# Altium PCB POWER.PcbDoc (part 1 of 2)
Units mm, origin at the board's own origin, x right, y up, seen from the top; angles counter-clockwise.
Board outline 100 x 45.99 mm, 4 copper layers (Top Layer, GND, Power, Bottom Layer), stack 1.548 mm thick; 81 components, 50 nets, 297 pads, 478 vias.
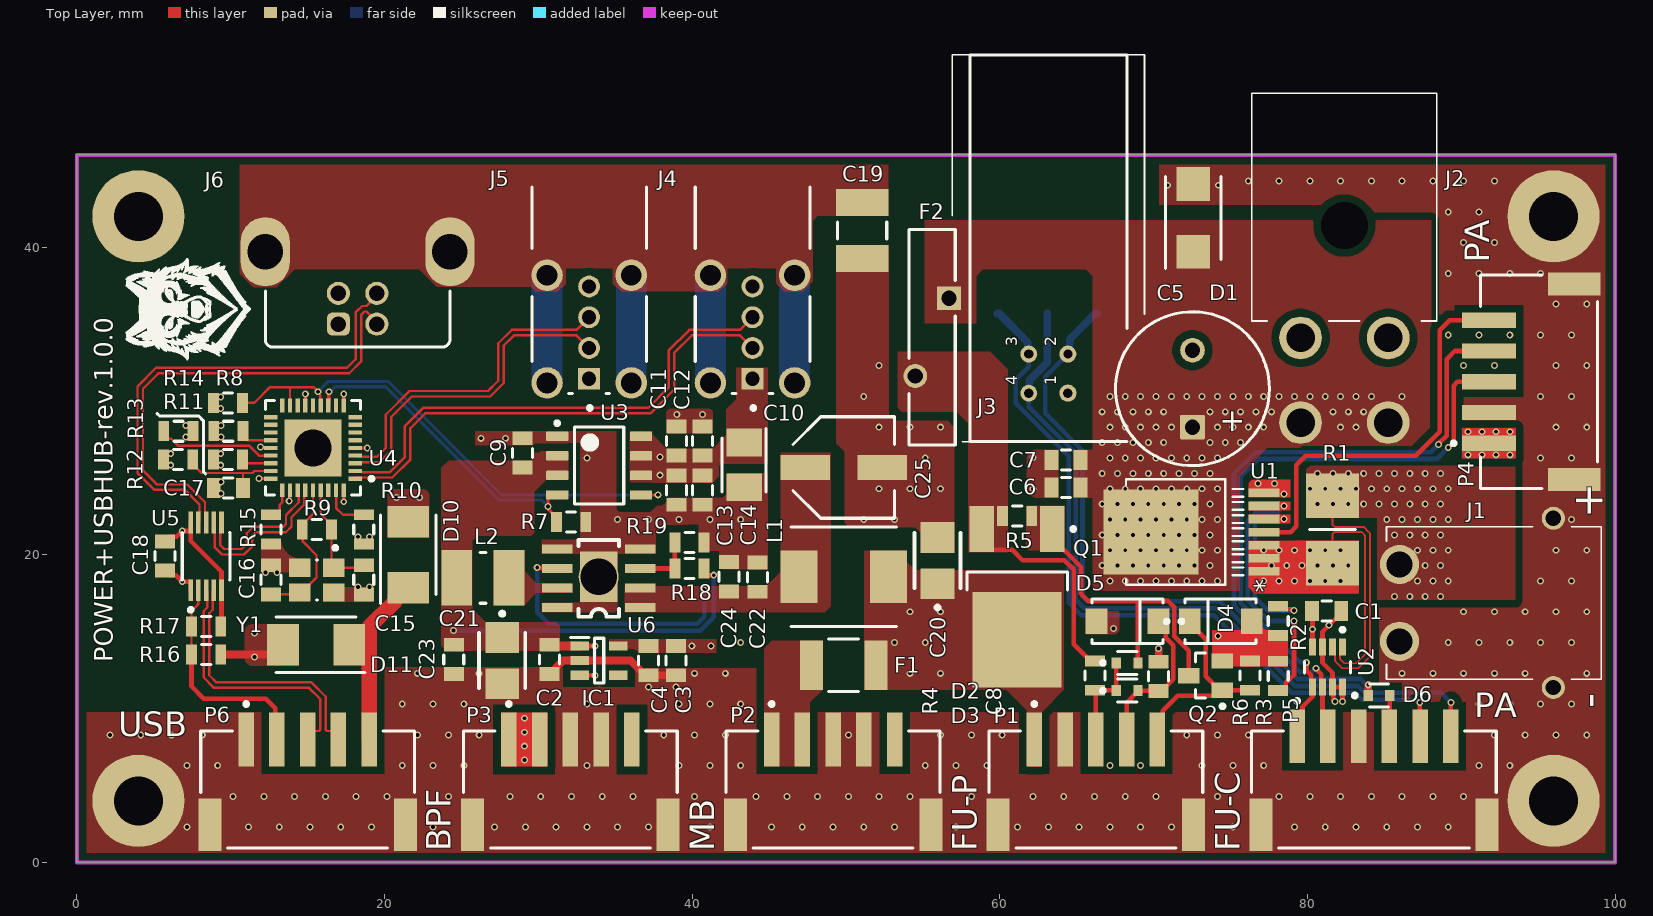
[diagram p0: Top Layer view]
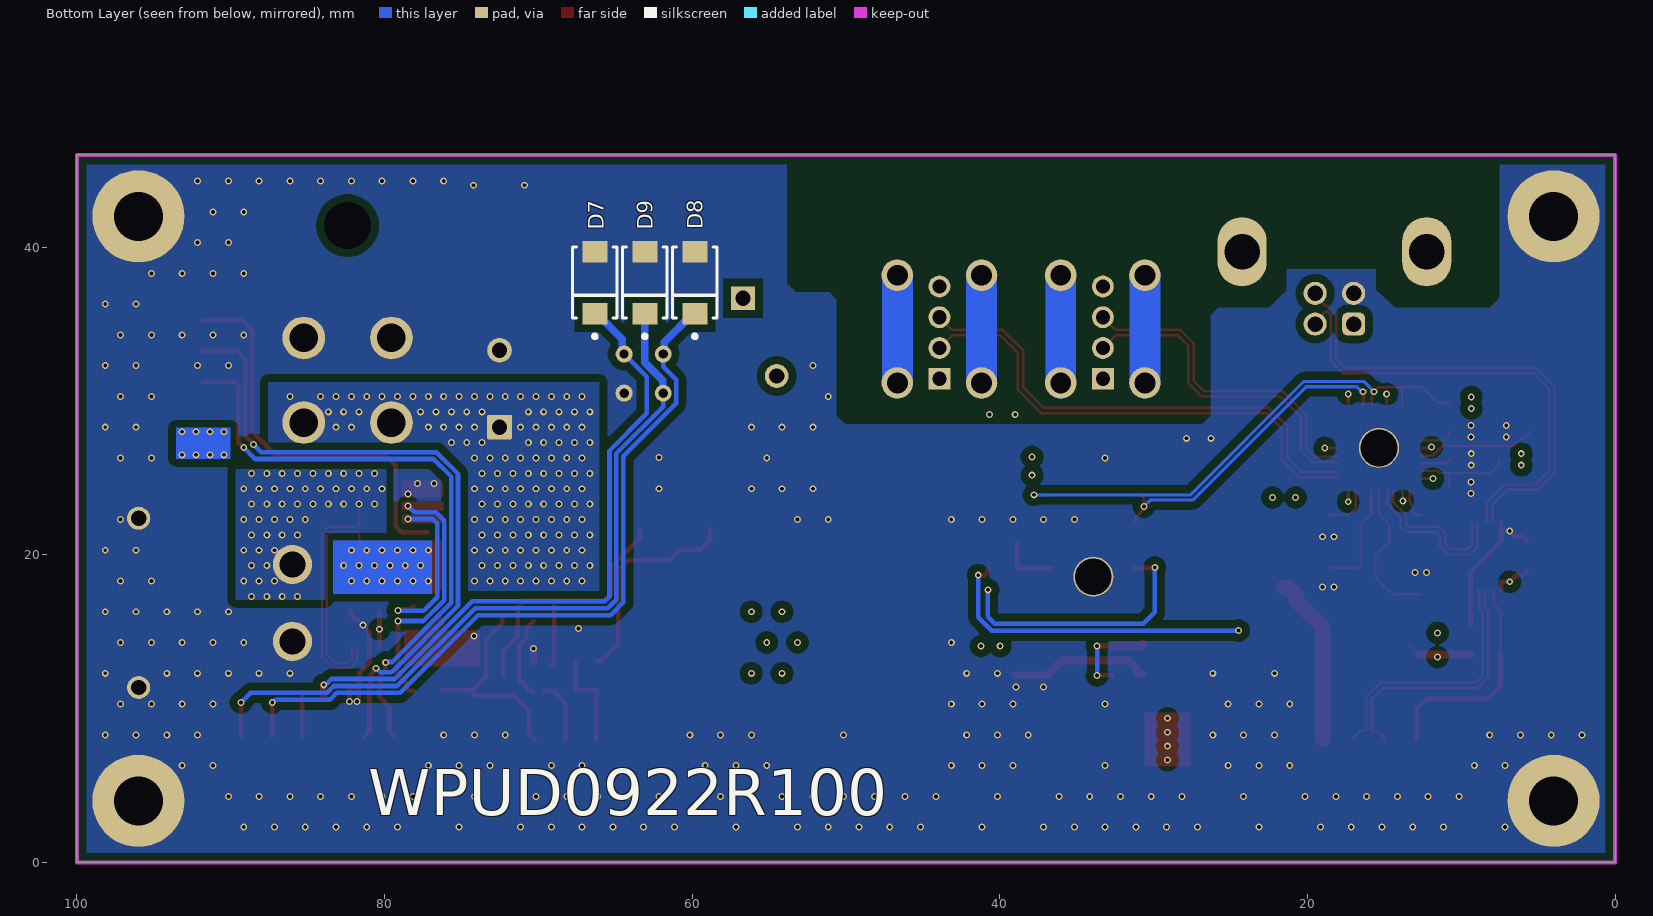
[diagram p1: Bottom Layer view, seen from below]
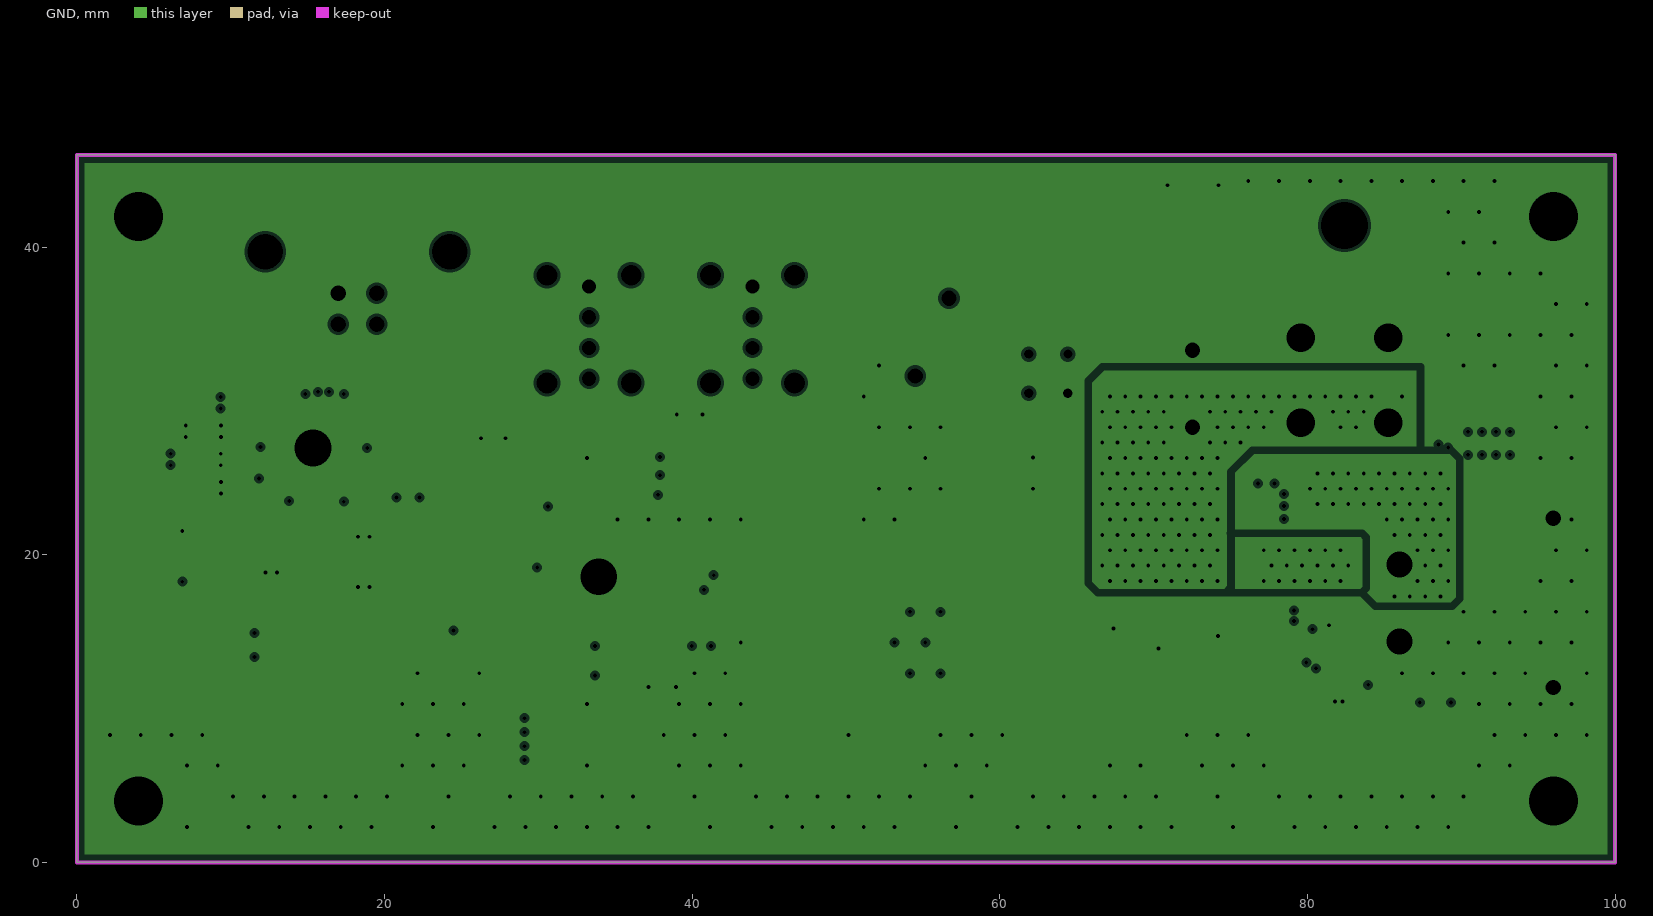
[diagram p2: GND, clearances drawn from the general rule]
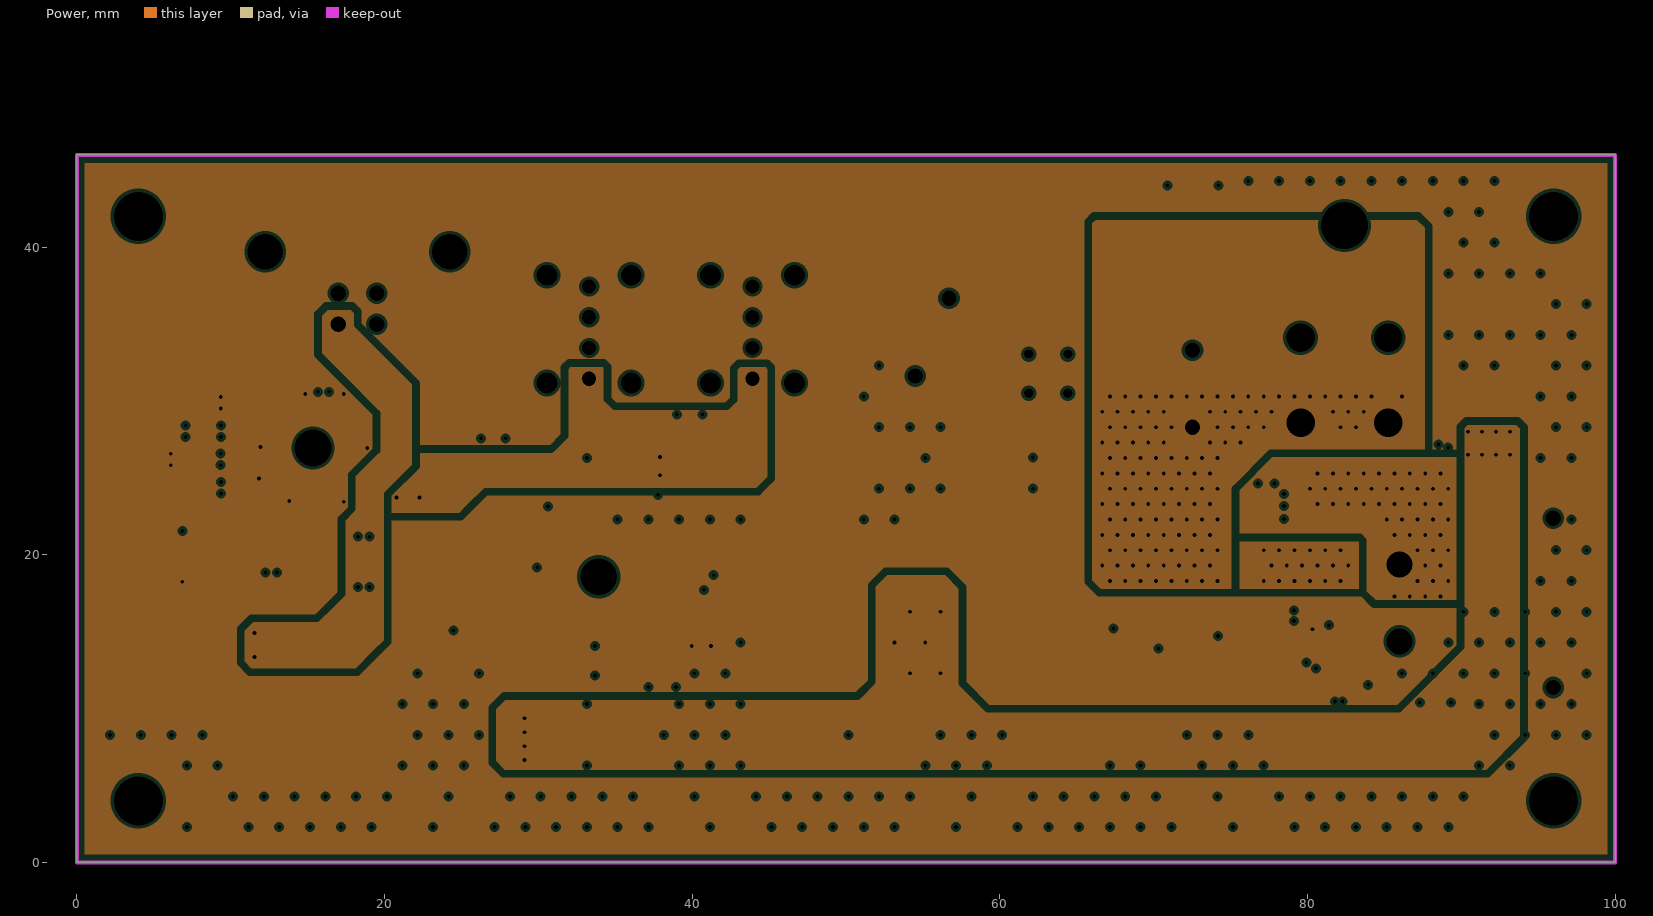
[diagram p3: Power, clearances drawn from the general rule]
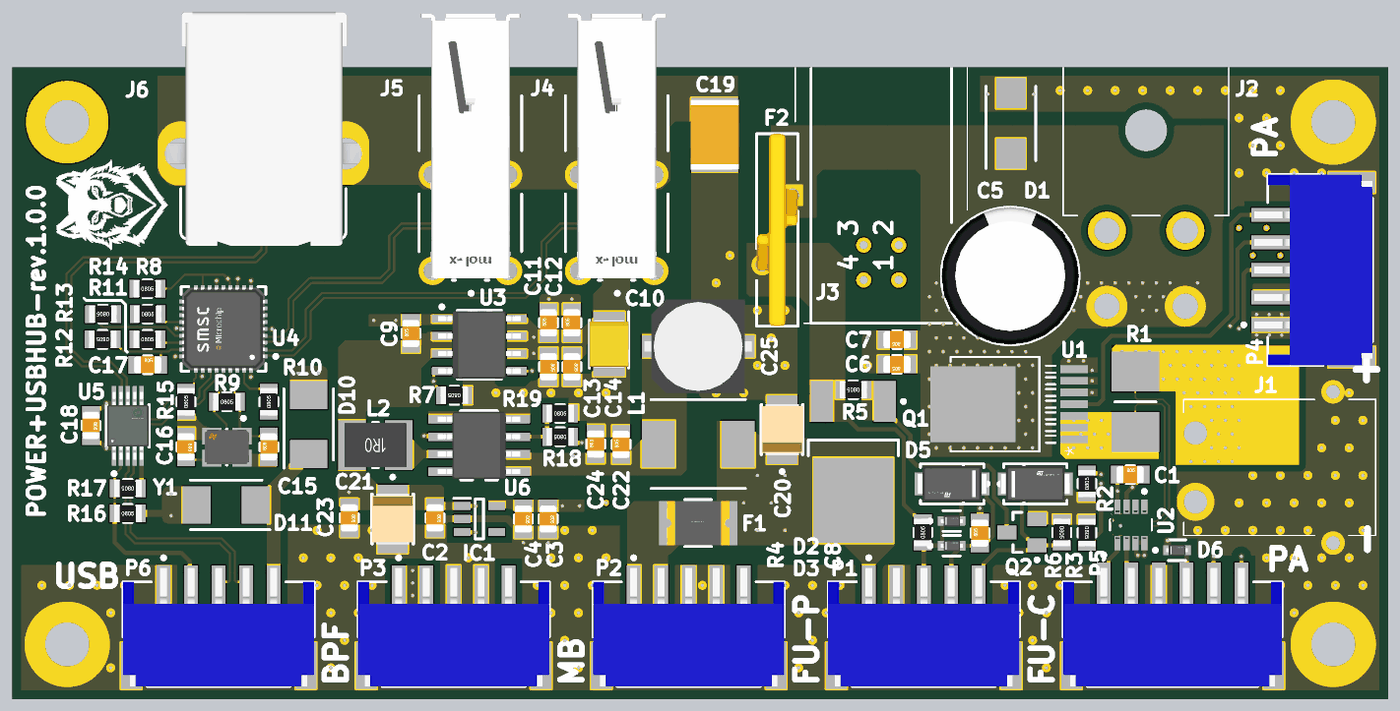
[diagram p5: 3D render of the assembled board from above, using the file's embedded part models]
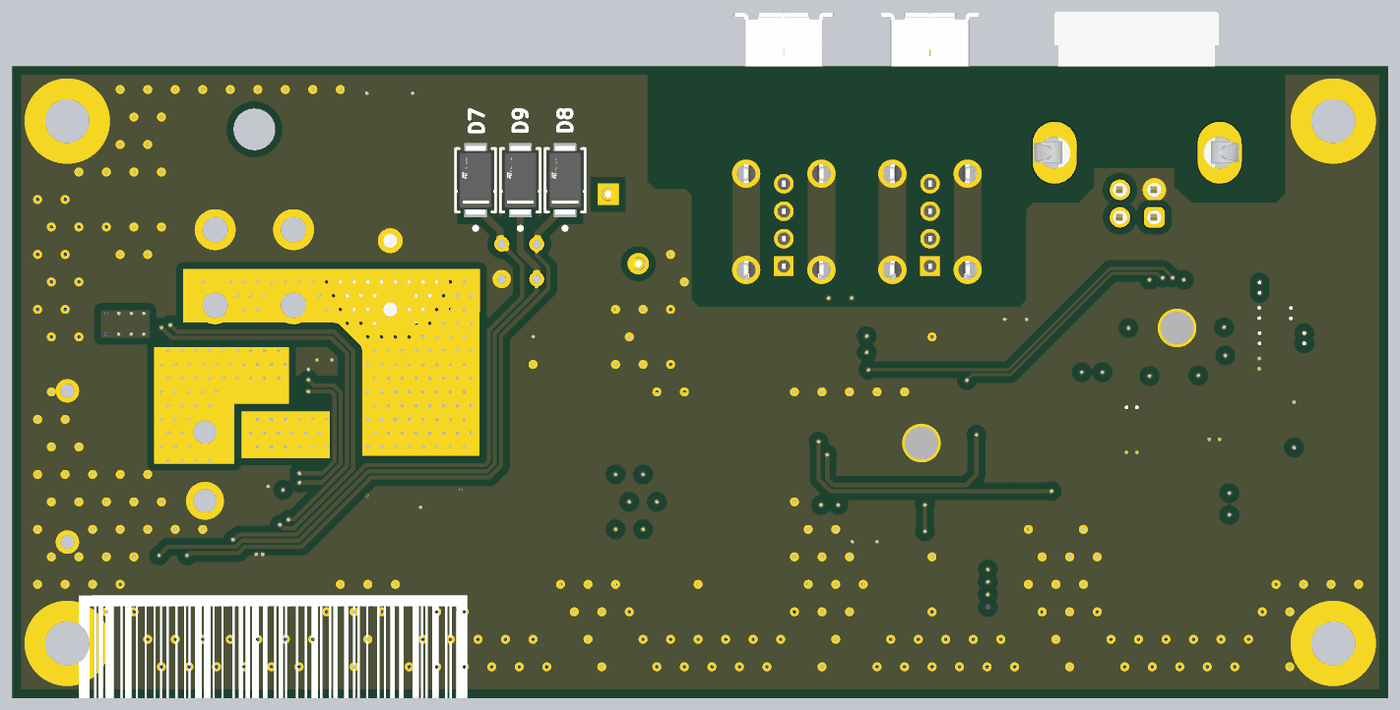
[diagram p6: 3D render of the assembled board from below, using the file's embedded part models]

## Layer stack, top to bottom
Top Solder: solder mask 0.0203, Solder Resist, Dk 3.8
Top Layer: signal copper 0.035
Dielectric 2: prepreg 0.0889, PP-022, Dk 4.05
GND: plane copper 0.0175, net GND
Core: core 1.265, FR-4, Dk 4.3
Power: plane copper 0.0175, net (Multiple Nets)
Dielectric 3: prepreg 0.0889, PP-022, Dk 4.05
Bottom Layer: signal copper 0.035
Bottom Solder: solder mask 0.0203, Solder Resist, Dk 3.8

## Board outline
0,0 0,45.994 100,45.994 100,0

## Design rules (kind name [scope] priority, off if disabled: settings)
Clearance Clearance_Poly [InPoly] p1: gap=0.5 ignorepadtopadclearanceinfootprint=FALSE
Clearance [All] p2: gap=0.15 ignorepadtopadclearanceinfootprint=FALSE
DiffPairsRouting "Schematic Differential Pairs Routing_9" [InNet('USBH2_N')] p1: maxlimit=0.203 minlimit=0.203 mostfreqgap=0.203 toplayer_minwidth=0.153 toplayer_maxwidth=0.153 toplayer_prefwidth=0.153 bottomlayer_minwidth=0.153 bottomlayer_maxwidth=0.153 bottomlayer_prefwidth=0.153 impedanceprofiledriven=TRUE impedanceprofileid={6632E951-35CC-4D87-BA76-0B264C14CC69} impedanceprofilevalue=90.000000 maxuncoupledlength=12.7
DiffPairsRouting "Schematic Differential Pairs Routing_5" [InNet('USBH_N')] p2: maxlimit=0.203 minlimit=0.203 mostfreqgap=0.203 toplayer_minwidth=0.153 toplayer_maxwidth=0.153 toplayer_prefwidth=0.153 bottomlayer_minwidth=0.153 bottomlayer_maxwidth=0.153 bottomlayer_prefwidth=0.153 impedanceprofiledriven=TRUE impedanceprofileid={6632E951-35CC-4D87-BA76-0B264C14CC69} impedanceprofilevalue=90.000000 maxuncoupledlength=12.7
DiffPairsRouting "Schematic Differential Pairs Routing_4" [InNet('USBH1_N')] p3: maxlimit=0.203 minlimit=0.203 mostfreqgap=0.203 toplayer_minwidth=0.153 toplayer_maxwidth=0.153 toplayer_prefwidth=0.153 bottomlayer_minwidth=0.153 bottomlayer_maxwidth=0.153 bottomlayer_prefwidth=0.153 impedanceprofiledriven=TRUE impedanceprofileid={6632E951-35CC-4D87-BA76-0B264C14CC69} impedanceprofilevalue=90.000000 maxuncoupledlength=12.7
DiffPairsRouting "Schematic Differential Pairs Routing_3" [InNet('USB_N')] p4: maxlimit=0.203 minlimit=0.203 mostfreqgap=0.203 toplayer_minwidth=0.153 toplayer_maxwidth=0.153 toplayer_prefwidth=0.153 bottomlayer_minwidth=0.153 bottomlayer_maxwidth=0.153 bottomlayer_prefwidth=0.153 impedanceprofiledriven=TRUE impedanceprofileid={6632E951-35CC-4D87-BA76-0B264C14CC69} impedanceprofilevalue=90.000000 maxuncoupledlength=12.7
DiffPairsRouting "Schematic Differential Pairs Routing_2" [InNet('PA_CUR_P')] p5: maxlimit=0.203 minlimit=0.203 mostfreqgap=0.203 toplayer_minwidth=0.122 toplayer_maxwidth=0.122 toplayer_prefwidth=0.122 bottomlayer_minwidth=0.122 bottomlayer_maxwidth=0.122 bottomlayer_prefwidth=0.122 impedanceprofiledriven=TRUE impedanceprofileid={0C91B79D-8DC1-47F9-BD06-AD6A074A7694} impedanceprofilevalue=100.000000 maxuncoupledlength=12.7
DiffPairsRouting "Schematic Differential Pairs Routing_13" [InNet('USBH1_P')] p6: maxlimit=0.203 minlimit=0.203 mostfreqgap=0.203 toplayer_minwidth=0.153 toplayer_maxwidth=0.153 toplayer_prefwidth=0.153 bottomlayer_minwidth=0.153 bottomlayer_maxwidth=0.153 bottomlayer_prefwidth=0.153 impedanceprofiledriven=TRUE impedanceprofileid={6632E951-35CC-4D87-BA76-0B264C14CC69} impedanceprofilevalue=90.000000 maxuncoupledlength=12.7
DiffPairsRouting "Schematic Differential Pairs Routing_8" [InNet('USBH_N')] p7: maxlimit=0.203 minlimit=0.203 mostfreqgap=0.203 toplayer_minwidth=0.153 toplayer_maxwidth=0.153 toplayer_prefwidth=0.153 bottomlayer_minwidth=0.153 bottomlayer_maxwidth=0.153 bottomlayer_prefwidth=0.153 impedanceprofiledriven=TRUE impedanceprofileid={6632E951-35CC-4D87-BA76-0B264C14CC69} impedanceprofilevalue=90.000000 maxuncoupledlength=12.7
DiffPairsRouting "Schematic Differential Pairs Routing_7" [InNet('USBH1_N')] p8: maxlimit=0.203 minlimit=0.203 mostfreqgap=0.203 toplayer_minwidth=0.153 toplayer_maxwidth=0.153 toplayer_prefwidth=0.153 bottomlayer_minwidth=0.153 bottomlayer_maxwidth=0.153 bottomlayer_prefwidth=0.153 impedanceprofiledriven=TRUE impedanceprofileid={6632E951-35CC-4D87-BA76-0B264C14CC69} impedanceprofilevalue=90.000000 maxuncoupledlength=12.7
DiffPairsRouting "Schematic Differential Pairs Routing_6" [InNet('USB_N')] p9: maxlimit=0.203 minlimit=0.203 mostfreqgap=0.203 toplayer_minwidth=0.153 toplayer_maxwidth=0.153 toplayer_prefwidth=0.153 bottomlayer_minwidth=0.153 bottomlayer_maxwidth=0.153 bottomlayer_prefwidth=0.153 impedanceprofiledriven=TRUE impedanceprofileid={6632E951-35CC-4D87-BA76-0B264C14CC69} impedanceprofilevalue=90.000000 maxuncoupledlength=12.7
DiffPairsRouting "Schematic Differential Pairs Routing" [InNet('PA_CUR_P')] p10: maxlimit=0.203 minlimit=0.203 mostfreqgap=0.203 toplayer_minwidth=0.122 toplayer_maxwidth=0.122 toplayer_prefwidth=0.122 bottomlayer_minwidth=0.122 bottomlayer_maxwidth=0.122 bottomlayer_prefwidth=0.122 impedanceprofiledriven=TRUE impedanceprofileid={0C91B79D-8DC1-47F9-BD06-AD6A074A7694} impedanceprofilevalue=100.000000 maxuncoupledlength=12.7
DiffPairsRouting [All] p11: maxlimit=0.203 minlimit=0.203 mostfreqgap=0.203 toplayer_minwidth=0.153 toplayer_maxwidth=0.153 toplayer_prefwidth=0.153 bottomlayer_minwidth=0.153 bottomlayer_maxwidth=0.153 bottomlayer_prefwidth=0.153 maxuncoupledlength=12.7
HoleSize [All] p1: absolutevalues=TRUE maxlimit=10 minlimit=0.025 maxpercent=80.000 minpercent=20.000
MinimumSolderMaskSliver [All] p1: minsoldermaskwidth=0.1
PlaneClearance PlaneClearance_SHIELD [InNet('SHIELD')] p1: clearance=1
PlaneClearance [All] p2: clearance=0.2
PlaneConnect [All] p1: planeconnectstyle=Direct reliefexpansion=0.508 reliefentries=4 reliefconductorwidth=0.254 reliefairgap=0.254
PolygonConnect [All] p1: connectstyle=Direct reliefconductorwidth=0.254 reliefentries=4 polygonreliefangle="90 Angle" airgapwidth=0.254
RoutingVias [All] p1: holewidth=0.711 width=1.27 viastyle="Through Hole" minholewidth=0.25 minwidth=0.45 maxholewidth=0.711 maxwidth=1.27
SilkToSilkClearance [All] p1: silktosilkclearance=0.2
SilkToSolderMaskClearance [IsPad] p1: minsilkscreentomaskgap=0.2 clearancetoexposedcopper=TRUE
SolderMaskExpansion [All] p1: expansion=0.102 istentingtop=FALSE
Width [All] p1: maxlimit=10 minlimit=0.1 preferedwidth=0.147 minimp=50.000000 maximp=50.000000 favimp=50.000000
23 further rules are at their usual default settings.

## Classes and differential pairs
component class USB: C9 C10 C11 C12 C13 C14 C15 C16 C17 C18 C19 C20 C21 C22 C23 C24 C25 D10 D11 J4 J5 J6 L1 L2 P6 R7 R8 R9 R10 R11 R12 R13 R14 R15 R16 R17 R18 R19 U3 U4 U5 U6 Y1
component class POWER: C1 C2 C3 C4 C5 C6 C7 C8 D1 D2 D3 D4 D5 D6 D7 D8 D9 F1 F2 IC1 IN1 J1 J2 J3 P1 P2 P3 P4 P5 Q1 Q2 R1 R2 R3 R4 R5 R6 T1 U1 U2
differential pair USB: +USB_P -USB_N
differential pair USBH: +USBH_P -USBH_N
differential pair USBH2: +USBH2_P -USBH2_N
differential pair USBH1: +USBH1_P -USBH1_N
differential pair USBD: +USBD_P -USBD_N
differential pair PA_CUR: +PA_CUR_P -PA_CUR_N

## Components (designator, comment, footprint, x,y, rotation, side; value= is the part's Value field where it differs from the comment)
C1 "100nF" C-0805 81.25,16.35 r0 top
C2 "100nF" C-0805 30.725,13.2 r270 top
C3 "10uF" C-0805 38.95,13.125 r270 top
C4 "100nF" C-0805 37.15,13.125 r270 top
C5 "330uF" "CE 5.0-10x12.5" 72.525,30.8 r90 top
C6 "100nF" C-0805 64.3,24.375 r180 top
C7 "10nF" C-0805 64.3,26.175 r180 top
C8 "8.2n" C-0805 70.325,12.1 r90 top
C9 "10uF" C-0805 28.975,26.625 r90 top
C10 "TAJB107K006RNJ" CAPPM3528X210N 43.375,25.85 r270 top
C11 "10uF" C-0805 38.975,27.4 r90 top
C12 "10uF" C-0805 40.675,27.4 r90 top
C13 "10uF" C-0805 38.975,24.2 r270 top
C14 "10uF" C-0805 40.675,24.2 r270 top
C15 "18pF NP0" C-0805 18.65,18.375 r90 top
C16 "18pF NP0" C-0805 12.625,18.375 r270 top
C17 "100n" C-0805 9.85,24.35 r0 top
C18 "100n" C-0805 5.725,19.925 r270 top
C19 "1812B103K202CT" CAPC4632X280X75LL50T35 51.05,41.075 r270 top
C20 "22uF 10V" CAPAE_4.3X4.3H5.4 55.95,19.225 r90 top
C21 "22uF 10V" CAPAE_4.3X4.3H5.4 27.65,13.525 r270 top
C22 "100nF" C-0805 44.25,18.55 r90 top
C23 "100nF" C-0805 24.5,13.2 r270 top
C24 "100nF" C-0805 42.4,18.575 r90 top
C25 "EEE1EA220SP" EEE1AA101SP 49.85,25.675 r0 top
D1 "SM6T15A-E3_52" DIOM5436X244N 72.575,41.9 r90 top
D2 "1N4148WT-7" FP-SOD523-MFG 68.275,12.975 r0 top
D3 "1N4148WT-7" FP-SOD523-MFG 68.275,11.175 r0 top
D4 "SMAJ5.0A-TR" FP-SMA-MFG 74.35,15.675 r0 top
D5 "SMAJ5.0A-TR" FP-SMA-MFG 68.3,15.675 r180 top
D6 "1N4148WT-7" FP-SOD523-MFG 84.65,10.85 r0 top
D7 "SMAJ5.0A-TR" FP-SMA-MFG 66.325,37.7 r90 bottom
D8 "SMAJ5.0A-TR" FP-SMA-MFG 59.825,37.7 r90 bottom
D9 "SMAJ5.0A-TR" FP-SMA-MFG 63.075,37.7 r90 bottom
D10 "SK14B" DIOM5236X261N 21.55,20 r90 top
D11 "SK14B" DIOM5236X261N 15.55,14.15 r180 top
F1 "MF-MSMF110/16-2" FP-MF-MSMF110-16-MFG 49.85,12.825 r180 top value=0.04-0.21Ω
F2 "RUEF400" FP-RUEF400-MFG 55.6,34.15 r270 top value=0.01-0.05Ω
IC1 "TPS70933DBVR" SOT95P280X145-5N 33.95,13.125 r0 top
J1 "XT30PW-M" XT30PWM 91.9,16.875 r270 top locked
J2 "76825-0004" 768250004 82.4,39.3 r180 top locked
J3 "ECG.00.304.CLV" ECG.00.304.CLV 63.155,31.78 r90 top
J4 "48204-0001" FP-48204-0001-MFG 43.925,40.25 r180 top locked
J5 "48204-0001" FP-48204-0001-MFG 33.3,40.25 r180 top locked
J6 "USB B-PCB-R" USB_B_PCB_R 18.25,37.35 r180 top locked
L1 "IHLP2525CZER100M01" INDPM6965X300N 49.85,18.575 r180 top
L2 "744045003" WE-LQ-L 26.4,18.5 r180 top
P1 "S5B-PH-SM4-TB(LF)(SN)" JST-S5B-PH-SM4-TB_V 66.244,5.325 r0 top locked
P2 "S5B-PH-SM4-TB(LF)(SN)" JST-S5B-PH-SM4-TB_V 49.162,5.325 r0 top locked
P3 "S5B-PH-SM4-TB(LF)(SN)" JST-S5B-PH-SM4-TB_V 32.081,5.325 r0 top locked
P4 "S5B-PH-SM4-TB(LF)(SN)" JST-S5B-PH-SM4-TB_V 94.475,31.25 r90 top locked
P5 "S6B-PH-SM4-TB(LF)(SN)" JST-S6B-PH-SM4-TB(LF)(SN)_V 84.325,5.325 r0 top locked
P6 "S5B-PH-SM4-TB(LF)(SN)" JST-S5B-PH-SM4-TB_V 15,5.325 r0 top locked
Q1 "IRFR9024NPBF" ONSC-DPAK-3-369C-01_V 61.125,17.275 r270 top
Q2 "BSS123" FAIR-SOT23-3_V 73.375,12.15 r90 top
R1 "PA2512FKF7W0R002E" RESC6432X88N 81.625,21.65 r90 top
R2 "1k" R-0805 78.1,15.7 r90 top
R3 "15k" R-0805 78.1,12.125 r270 top
R4 "30k" R-0805 66.175,12.15 r90 top
R5 "30k" R-0805 61.125,22.525 r180 top
R6 "30k" R-0805 76.275,12.15 r270 top
R7 "10k" R-0805 32.125,22.125 r180 top
R8 "10k" R-0805 9.825,29.875 r0 top
R9 "1M" R-0805 15.6,21.65 r0 top
R10 "2k" R-0805 18.65,21.65 r90 top
R11 "2k" R-0805 9.825,26.192 r0 top
R12 "2k" R-0805 6.575,26.192 r180 top
R13 "2k" R-0805 6.6,28.033 r180 top
R14 "2k" R-0805 9.85,28.033 r0 top
R15 "2k" R-0805 12.625,21.65 r90 top
R16 "2k" R-0805 8.4,13.525 r0 top
R17 "2k" R-0805 8.4,15.35 r180 top
R18 "39k" R-0805 39.825,19.1 r180 top
R19 "7.5k" R-0805 39.825,20.8 r0 top
U1 "VN7004CLH" OCTAPAK7_6P1X6P5_STM-M 71.425,21.475 r90 top
U2 "INA219AIDCNR" FP-DCN0008A-MFG 81.3,12.7 r270 top
U3 "TPS2034D" D0008A_N 33.95,25.8 r0 top
U4 "USB2512BI-AEZG" FP-USB2512BI-AEZG-MFG 15.35,26.95 r180 top
U5 "FSUSB42MUX" FP-846AP-MFG 8.4,19.9 r90 top
U6 "ST1S10" ST1S10 33.925,18.475 r180 top
Y1 "NX1612SA-24MHZ-STD-CIS-1" FP-NX3225GA-MFG 15.6,18.35 r180 top
